# KiCad board WiRoc_NanoPi.kicad_pcb (continued)
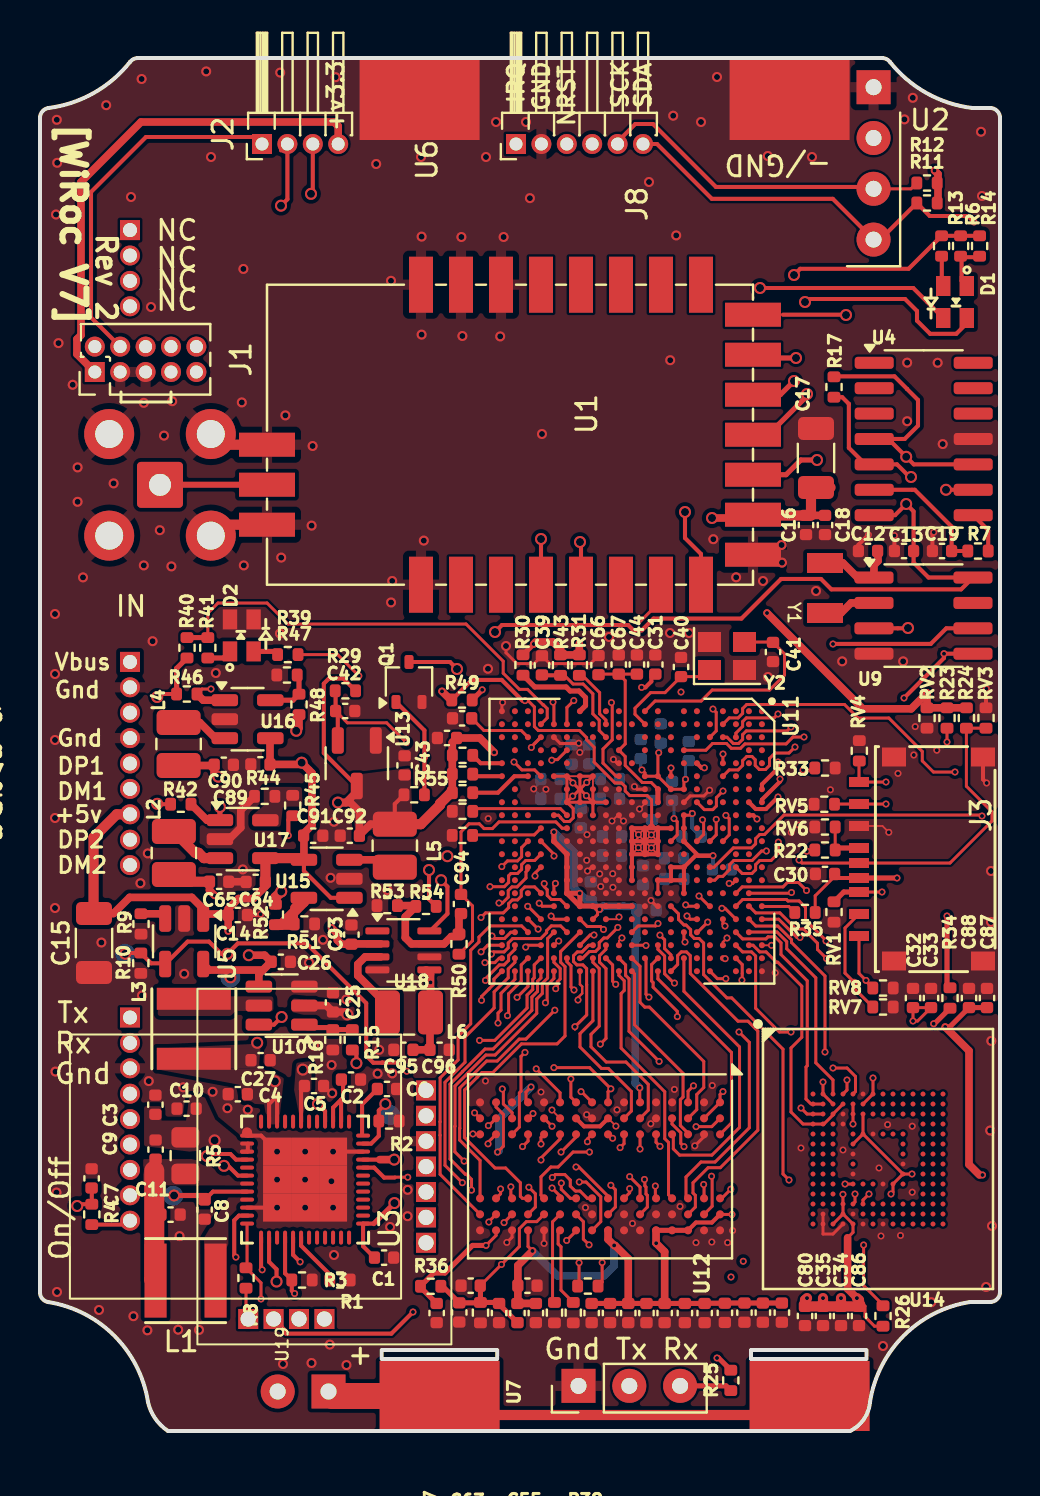
[diagram p0: board, top side]
## Routing (per net, layer and track width the routed paths; a pad name or vN(x,y) marks a point on that pad's centre or on a via; arc(x,y) is an arc through that point) (continued)
  In4.Cu w0.203: v4(38.85,48.55) 39.15,48.25 39.15,42.5 39.4,42.25 39.4,41.75 39.15,41.5 39.15,35.01 38.34,34.2 v2(37.75,34.2)
LORAMO: length 38.1
  Top w0.15: U11.C14 34.64,27.38 v2(34.46,27.38)
  Top w0.203: v4(40.3,55.8) 40.29,55.81 37.15,55.81
  In2.Cu w0.203: v2(34.46,27.38) 35.74,27.38 42.31,33.95 42.31,34.97 43.9,36.55 43.9,38.5 40.3,42.1 v4(40.3,55.8)
LORARS: length 11.5
  Top w0.15: U1.7 31.05,41.51 29.94,40.4 ; U11.U2 25.7,36.4 v2(25.65,36.45)
  Top w0.203: 31.05,43.11 U1.7
  In2.Cu w0.15: v2(25.65,36.45) 25.65,38.65 27.5,40.5 v2(29.86,40.5)
N_OE: length 78.6
  Top w0.203: v2(12.73,6.87) 12.59,7.02 R3.2 12.25,7.89 12.25,9.71 ; v4(45.3,47.06) 46.66,47.06
  In4.Cu w0.203: v2(12.73,6.87) 12.75,6.86 16.45,6.86 16.61,6.69 16.63,6.69 18.29,5.03 41.45,5.03 46.62,10.2 46.62,45.74 v4(45.3,47.06)
PWRON: length 17.9
  Top w0.203: v4(1.86,11.25) 1.95,11.34 R4.2 2.59,12.14 C7.2 ; U3.5 12.65,8.81 v2(13.01,8.46) ; v2(9.8,8.69) 9.71,8.78 9.71,10.53 9.95,10.77 10.39,10.77
  In2.Cu w0.203: v2(9.8,8.69) 11.22,8.69 11.45,8.46 v2(13.01,8.46)
  In4.Cu w0.203: v4(1.86,11.25) 3.95,9.16 9.33,9.16 v2(9.8,8.69)
SCK: length 116.3
  Top w0.15: U2.3 43.55,62.11 R12.1 ; U11.F11 33.18,29.82 33.18,30.5 v2(33.13,30.56)
  Top w0.203: v2(39.65,39.35) 39.66,39.36 44.54,39.36 45.32,40.13 U9.6 ; 42.39,62.11 U2.3 41.59,62.2 33.8,62.2 30.65,65.35 29.77,65.35 28.88,64.47 J8.5 ; v4(11.83,7.47) 11.83,8.08 11.45,8.46 U3.2
  In2.Cu w0.15: 16.17,7.47 18.05,7.47 18.91,8.33 19.93,8.33 20.26,8.66 20.26,9.01 20.26,9.01 20.26,11.56
  In2.Cu w0.203: v4(11.83,7.47) 16.17,7.47 ; 20.26,11.56 20.26,26.19 23.57,29.5 26.46,29.5 26.97,28.99 27.52,28.99 27.79,28.72 27.79,28.7 30.78,28.7 31.02,28.94 31.02,30.25 30.96,30.32 30.96,33.19 31.39,33.63 33.39,33.63 33.68,33.34 33.68,32.88 32.93,32.13 32.93,31.2 33.13,31 v2(33.13,30.56) 33.15,30.56 ; U2.3 41.68,61.74
  In4.Cu w0.203: v2(33.13,30.56) 33.85,29.83 36.06,29.83 37.69,31.46 37.69,31.8 39.61,33.72 39.61,38.69 39.65,38.73 v2(39.65,39.35) 39.65,41.58 39.7,41.63 39.7,60.13 U2.3
SCKE1: length 18
  Top w0.09: 27.64,10 U12.J9 ; v2(26.96,12.45) 27.07,12.45
  Top w0.15: v2(22.9,20.4) 22.9,20.89 23.05,21.04 23.05,21.88 23.75,22.58 U11.Y21 ; v2(26.96,12.45) 27.3,12.45 28.04,11.71 28.04,10.47 U12.J9
  In2.Cu w0.09: v2(26.96,12.45) 25.77,13.64 25.64,13.64
  In2.Cu w0.15: v2(26.96,12.45) 26.94,12.45 25.63,13.76 25.63,14.37 25.15,14.85 25.15,16.08 24.86,16.37 24.5,16.37 23.8,17.07 23.8,17.9 22.9,18.8 v2(22.9,20.4)
SCKN: length 22.8
  Top w0.09: 26.88,8.34 v2(26.95,8.41)
  Top w0.12: 26.71,11.63 U12.K7 ; v2(26.06,12.4) 26.06,12.28
  Top w0.15: v2(26.95,8.41) 26.95,7.32 R38.2 ; v2(26.06,12.4) 26.06,12.09 26.52,11.63 U12.K7 ; U11.AA20 22.96,23.64 22.74,23.42 v2(22.25,23.42)
  In2.Cu w0.09: v2(26.06,12.4) 26.14,12.4 26.17,12.42
  In2.Cu w0.15: v2(22.25,23.42) 22.12,23.42 21.01,22.31 21.01,17.83 21.53,17.3 21.53,17.2 21.97,16.76 22.08,16.76 23.7,15.13 23.7,14 24.6,13.1 25.95,13.1 26.06,12.99 v2(26.06,12.4)
  In4.Cu w0.15: v2(26.95,8.41) 27,8.46 27,10.06 26.5,10.56 26.5,11.96 v2(26.06,12.4)
SCKP: length 28
  Top w0.09: 26.8,11.97 26.51,12.26 26.51,12.51 ; R38.1 27.94,7.28 ; v2(22.05,23.96) 22.36,24.26
  Top w0.15: v2(22.05,23.96) 22.39,24.29 U11.AA19 ; R38.1 28.11,7.45 v2(28.11,8.42) ; v2(25.61,12.67) 25.76,12.82 26.24,12.82 26.51,12.55 26.51,12.25 26.76,12 ; U12.J7 27.37,11.63 27,12 26.8,12
  In2.Cu w0.15: v2(22.05,23.96) 20.77,22.67 20.77,17.52 23.45,14.83 23.45,13.91 24.69,12.67 v2(25.61,12.67)
  In4.Cu w0.15: v2(28.11,8.42) 27.67,7.99 26.78,7.99 26.53,8.24 26.53,9.12 26.76,9.35 26.76,9.96 25.14,11.58 25.14,12.39 25.43,12.67 v2(25.61,12.67)
SCS1: length 7.7
  Top w0.15: v2(23.85,21.68) 24.4,22.23 U11.W21 ; v2(24.81,18.11) 26,16.91 U12.L1
  In2.Cu w0.15: v2(24.81,18.11) 24.81,19.51 24.11,20.2 24.11,21.43 v2(23.85,21.68)
SDA: length 128.5
  Top w0.15: U11.C13 35.11,27.87 35.59,27.87 35.78,28.06 35.78,28.32 35.99,28.52 36.55,28.52 36.92,28.89 v2(36.92,29.44)
  Top w0.203: v2(46.7,60.45) 46.4,60.75 44.49,60.75 R11.1 42.01,59.57 U2.4 39.64,61.61 33.59,61.61 30.85,64.35 J8.6 ; U3.1 11.05,8.11 v2(11.11,8.06) ; U9.5 v2(45.2,38.86) 45.2,38.65 v2(43.2,36.65)
  In2.Cu w0.203: v2(36.92,29.44) 36.92,30.53 43.04,36.65 v2(43.2,36.65) ; v2(45.2,38.86) 46.65,40.31 46.65,60.4 v2(46.7,60.45)
  In4.Cu w0.203: v2(11.11,8.06) 11.14,8.02 12.21,8.02 12.83,7.4 16.47,7.4 18.45,5.42 41.29,5.42 46.22,10.36 46.22,37.84 v2(45.2,38.86)
SDC0-CLK: length 8.5
  Top w0.15: v2(34.26,23.62) 34.17,23.62 U11.D20 ; v2(38.34,28.99) 38.4,29.05 R22.1
  In2.Cu w0.15: v2(34.26,23.62) 35.12,23.62 35.75,24.25 35.75,26.17 37.63,28.05 38.16,28.05 38.45,28.34 38.45,28.88 v2(38.34,28.99)
SDC0-CMD: length 26.1
  Top w0.15: U11.F18 32.88,24.94 v2(33.39,25.44) ; v2(42.1,26.95) J3.3 ; v2(45.35,34.45) R23.1
  Top w0.254: J3.3 40.19,26.95 RV1.1
  In2.Cu w0.15: v2(45.35,34.45) 45.35,33.83 45.25,33.73 45.25,29.45 42.75,26.95 v2(42.1,26.95) 41.25,26.1 38.31,26.1 37.15,24.94 37.15,23.95 36.45,23.25 35.2,23.25 35.03,23.08 34.05,23.08 33.39,23.74 v2(33.39,25.44)
SDC0-D0: length 13
  Top w0.09: v2(36.58,24.28) 36.1,24.28 U11.A19
  Top w0.15: v2(42.3,31.35) J3.7 ; 41.03,31.35 39.93,31.35
  In2.Cu w0.15: v2(42.3,31.35) 38.76,27.81 37.75,27.81 36.58,26.64 v2(36.58,24.28)
SDC0-D1: length 14.6
  Top w0.12: U11.D19 34.15,24.45 v2(34.35,24.65)
  Top w0.15: v2(42.3,32.45) J3.8 40.95,33.48 RV4.1
  In2.Cu w0.15: v2(42.3,32.45) 41.19,32.45 35.16,26.42 35.16,25.46 v2(34.35,24.65)
SDC0-D2: length 10.8
  Top w0.15: J3.1 40.95,22.88 v2(41.3,22.53) 41.3,22.49 RV8.1 ; v2(35.1,22.54) 35.11,22.56 35.11,23.32 U11.C20
  In2.Cu w0.15: v2(41.3,22.53) 40.97,22.86 40.53,22.86 39.96,22.29 35.35,22.29 v2(35.1,22.54)
SDC0-D3: length 13.4
  Top w0.09: J3.2 41.03,25.85
  Top w0.15: U11.E21 33.87,22.62 v2(34.29,22.62) ; RV7.1 40.71,22.13 v2(40.71,22.44) 40.25,22.89 40.25,25.15 J3.2
  In2.Cu w0.15: v2(40.71,22.44) 40.32,22.05 34.86,22.05 v2(34.29,22.62)
SDC0-DET: length 27.7
  Top w0.09: 40.84,28.51 J3.9
  Top w0.15: v2(37.95,28.55) 38.1,28.4 J3.9 45.5,28.4 47.6,30.5 47.6,30.96 46.32,32.24 R24.1 RV3.1 ; U11.G18 32.2,24.5 v2(32.25,24.45)
  In2.Cu w0.15: v2(37.95,28.55) 37.71,28.55 35.4,26.24 35.4,25.1 34.5,24.2 34.2,24.2 33.83,24.57 33.83,25.61 33.56,25.87 33.21,25.87 32.25,24.91 v2(32.25,24.45)
SDQ0: length 11.3
  Top w0.15: U11.N20 28.63,23.3 28.63,22.49 v2(28.79,22.33) ; v2(31,14.23) 30.8,14.43 U12.E3
  In2.Cu w0.15: v2(31,14.23) 31.11,14.34 31.11,15.57 31.03,15.65 31.03,17.7 30.4,18.33 30.4,20.72 v2(28.79,22.33)
SDQ1: length 9
  Top w0.15: U11.P21 27.65,20.51 27,19.87 27,19.2 28.07,18.13 28.42,18.13 29.57,16.98 29.57,16 U12.G2
SDQ2: length 10.2
  Top w0.15: U11.P20 27.65,23.43 27.96,23.12 27.96,20.25 27.55,19.83 27.55,19.21 28.31,18.45 29.3,18.45 30.41,17.33 30.41,16.04 U12.F2
SDQ3: length 13.1
  Top w0.15: v2(25.27,21.41) 25.36,21.5 25.36,22.29 25.7,22.63 U11.U21 ; U12.H7 28.4,11.74 26.94,13.2 v2(26.8,13.2)
  In4.Cu w0.15: v2(25.27,21.41) 25.27,19.76 25.51,19.52 25.51,19.06 26.19,18.37 26.19,17.96 25.92,17.68 25.92,17.41 26.33,17 26.33,14.37 26.55,14.15 26.55,13.74 26.55,13.74 26.55,13.45 v2(26.8,13.2)
SDQ4: length 17
  Top w0.15: v2(30.22,12.58) 30.24,12.56 30.24,12.26 30.3,12.2 30.3,11.85 30.37,11.78 30.37,11.2 U12.F8 ; v2(27.7,24.8) 27.51,24.8 U11.R19
  In2.Cu w0.15: v2(27.7,24.8) 27.7,22.6 30.16,20.14 30.16,18.23 30.79,17.6 30.79,16.7 30.05,15.96 30.05,14.76 30.5,14.31 30.5,12.86 v2(30.22,12.58)
SDQ5: length 14.2
  Top w0.09: U11.T20 26.35,23.7 ; U11.T20 26.35,23.66 ; U11.T20 26.35,23.64
  Top w0.12: 26.32,23.61 U11.T20
  Top w0.15: U11.T20 26.35,23.64 26.35,23.46 26.55,23.26 26.55,22.2 v2(26.7,22.05) ; v2(29.48,12.72) 30,12.2 U12.F7
  In2.Cu w0.15: v2(29.48,12.72) 29.5,12.74 29.5,14.31 29.55,14.35 29.55,20.07 27.57,22.05 v2(26.7,22.05)
SDQ6: length 16.3
  Top w0.09: U11.U19 25.91,24.5 v2(25.94,24.5)
  Top w0.15: v2(28.54,12.29) 28.77,12.06 28.77,11.2 U12.H8
  In4.Cu w0.15: v2(28.54,12.29) 28.53,12.29 26.79,14.03 26.79,14.25 26.78,14.26 26.78,15.96 27.48,16.66 27.48,18.94 27.35,19.07 27.35,20.71 27.89,21.25 27.89,21.76 25.94,23.71 v2(25.94,24.5)
SDQ7: length 11.4
  Top w0.09: v2(28.63,14.64) 28.6,14.64 U12.H3
  Top w0.15: v2(25.79,22.11) 25.87,22.2 25.87,22.21 25.87,22.46 26.01,22.6 26.01,23.12 25.7,23.43 U11.U20
  In2.Cu w0.15: v2(28.63,14.64) 28.3,14.97 28.3,16.23 28.97,16.9 28.97,18.99 26.96,21 26.74,21 25.79,21.96 v2(25.79,22.11)
SDQ8: length 16.1
  Top w0.15: U12.A7 34.09,11.63 v2(34.54,12.09) ; U11.J19 30.9,24.08 31.23,23.75 31.23,22.86 31.69,22.4 v2(31.72,22.4)
  In2.Cu w0.15: v2(34.54,12.09) 35.48,13.03 35.48,20.18 35.19,20.47 34.5,20.47 32.58,22.4 v2(31.72,22.4)
SDQ9: length 16.8
  Top w0.15: v2(31,24.79) 31.23,24.56 31.23,24.12 31.55,23.8 U11.H20 ; v2(33.58,12.74) 33.61,12.71 33.61,11.24 U12.B8
  In4.Cu w0.15: v2(31,24.79) 31.35,24.45 31.35,23.98 33.17,22.15 33.17,17.05 33.03,16.91 33.03,16.68 33.72,15.99 33.72,12.88 v2(33.58,12.74)
SDQ10: length 18.2
  Top w0.15: U11.H21 31.88,23.32 31.88,23.77 32.07,23.95 32.33,23.95 32.52,23.77 32.52,22.87 34.9,20.49 35.4,20.49 35.89,20 35.89,15.04 34.01,13.16 33.4,13.16 32.65,12.41 32.65,11.9 32.77,11.78 32.77,11.2 U12.C8
SDQ11: length 9.9
  Top w0.15: U11.J21 30.9,22.6 34.57,18.93 34.57,15.4 U12.A3
SDQ12: length 10
  Top w0.15: U11.L20 30,23.24 30,21.43 30.24,21.19 30.47,21.19 33.19,18.48 33.19,17.17 32.84,16.82 32.84,16.07 U12.C2
SDQ13: length 9.4
  Top w0.15: U11.L21 29.73,22.86 29.73,20.31 32.15,17.88 32.15,16.7 32.02,16.56 32.02,15.27 32.4,14.89 U12.C3
SDQ14: length 12.6
  Top w0.15: U12.D7 31.43,11.81 31.43,14.43 31.24,14.62 31.24,16.96 29.06,19.14 29.06,21.87 29.21,22.03 29.21,22.51 28.95,22.78 U11.M21
SDQ15: length 14.2
  Top w0.09: U11.M19 28.95,24.5 v2(29.1,24.65) ; U12.A2 34,15.62 33.59,15.21 32.81,15.21 32.8,15.2
  Top w0.15: v2(32.8,15.22) 33.59,15.22 U12.A2
  In4.Cu w0.15: v2(32.8,15.22) 32.74,15.22 29.95,18.01 29.95,23.8 v2(29.1,24.65)
SDQM0: length 14.9
  Top w0.09: U11.M20 29.27,23.32 29.27,22.77 29.47,22.57 ; 30.81,18.63 v2(30.96,18.48)
  Top w0.15: U12.E7 30.77,11.67 v2(30.77,12.25) ; U11.M20 29.28,23.3 29.28,22.78 29.45,22.61 29.45,19.98 v2(30.96,18.48)
  In2.Cu w0.15: v2(30.77,12.25) 30.77,13.29 31.5,14.03 31.5,16.27 31.27,16.5 31.27,18.17 v2(30.96,18.48)
SDQM1: length 14.4
  Top w0.15: U12.D3 31.67,14.77 31.67,14.11 31.98,13.79 33.59,13.79 34.98,15.18 34.98,19.2 32.2,21.98 U11.G20
SDQS0N: length 10.8
  Top w0.12: U11.R21 27,22.33 27.11,22.22 27.11,21.88 26.9,21.67 v2(26.9,21.55)
  Top w0.15: U12.G3 29.2,14.37 v2(29,14.17)
  In2.Cu w0.15: v2(26.9,21.55) 29.29,19.16 29.29,14.45 v2(29,14.17)
SDQS0P: length 18.3
  Top w0.09: 26.99,23.64 U11.R20
  Top w0.15: U11.R20 27.13,23.64 27.47,23.97 27.78,23.97 27.96,24.16 27.96,24.42 28.19,24.65 28.36,24.65 v2(28.89,25.18) ; U12.F3 v2(30,14.1)
  In2.Cu w0.15: v2(30,14.1) 29.81,14.29 29.81,16.06 30.41,16.66 30.41,17.33 29.92,17.83 29.92,20.04 27.18,22.78 27.18,25.23 27.55,25.6 28.45,25.6 28.87,25.18 v2(28.89,25.18)
SDQS1N: length 13.3
  Top w0.15: v2(31.87,20.72) 31.87,20.98 30.66,22.19 30.66,22.42 30.58,22.5 30.58,23.32 U11.J20 ; v2(33.18,12.33) 33.2,12.31 U12.B7
  In2.Cu w0.15: v2(31.87,20.72) 31.87,20.57 32.22,20.22 32.22,16.4 33.27,15.35 33.27,13.04 33.15,12.92 33.15,12.36 v2(33.18,12.33)
SDQS1P: length 17.6
  Top w0.15: v2(34.95,19.95) 35.47,19.43 35.47,15.16 33.76,13.45 33.05,13.45 32.3,12.7 32.3,11.74 U12.C7 ; v2(30.45,21.69) 30.3,21.84 30.3,23.59 U11.K20
  In2.Cu w0.15: v2(30.45,21.69) 30.98,21.16 33.47,21.16 34.68,19.95 v2(34.95,19.95)
SODT1: length 15.5
  Top w0.15: U11.V11 25.7,28.84 v2(25.7,28.75) ; v2(27.05,16.97) 27.07,16.97 U12.J1
  In2.Cu w0.15: v2(27.05,16.97) 27.05,18.6 24.83,20.82 24.83,22.78 26.55,24.5 26.55,27.9 v2(25.7,28.75)
SRR_IRQ: length 59.8
  Top w0.15: v2(36.32,29) 36.08,29 35.6,28.52 34.69,28.52 34.48,28.32 34.48,28.07 34.14,27.73 33.93,27.73 33.74,27.54 U11.E14
  In4.Cu w0.203: J8.1 24.95,63.2 42.45,63.2 42.9,62.75 42.9,58.3 40.95,56.35 40.95,34.16 36.32,29.53 v2(36.32,29)
SRR_NRST: length 65
  Top w0.15: U11.E3 33.81,35 33.81,35.93 v2(33.65,36.1)
  In2.Cu w0.203: J1.10 7.33,54.71 7.33,60.67 9.11,62.45 15.05,62.45 18.59,65.99 25.76,65.99 26.34,65.41 J8.3 26.34,47.49 24.4,45.55 24.4,44.33 25.08,43.65 27.43,43.65 33.65,37.43 v2(33.65,36.1)
SRST: length 15.4
  Top w0.09: U12.T2 22,15.62
  Top w0.15: v2(24.96,26.39) 25.11,26.24 U11.U16 ; v2(21.73,15.91) U12.T2
  In4.Cu w0.15: v2(24.96,26.39) 24.5,26.85 22.75,26.85 22.45,26.55 22.45,26.14 22.55,26.04 22.55,25.4 21.34,24.19 21.34,19.28 21.45,19.17 21.45,17.53 21.53,17.44 21.53,16.1 v2(21.73,15.91)
SVREF: length 40.3
  Top w0.09: 22.01,6.44 R37.1
  Top w0.15: U12.M8 24.84,10.47 24.32,10.47 23.97,10.12 23.97,9.22 v2(23.07,8.33) C63.1 ; U12.H1 28.4,16.97 v2(28.54,17.11) 27.48,18.17 v2(25.69,18.17) ; U11.T16 26.01,26.57 25.57,26.57 25.36,26.78 25.36,27.06 25.21,27.21 v2(25.21,27.37)
  Top w0.254: R37.1 22,6.41 C29.1 20.13,7.24 R36.2 ; R37.1 22.9,6.43 C28.1 22.95,6.34 C62.2 ; R37.1 22.02,7.26 C63.1
  In2.Cu w0.15: v2(25.21,27.37) 25.21,27.23 25.98,26.46 25.98,25.53 24.9,24.45 24.9,23.53 24.35,22.98 24.35,20.3 25.69,18.96 v2(25.69,18.17) ; v2(23.07,8.33) 24.72,9.98 26.83,9.98 28.97,12.11 28.97,13.39 28.06,14.3 28.06,16.63 v2(28.54,17.11)
ToPWRBTN: length 2
  Top w0.203: R4.1 4.3,10.32 J4.9 4.52,10.49
UART0_RX: length 2.6
  Top w0.254: J6.3 34.3,2.26 R25.1
UART0_TX: length 40.4
  Top w0.203: U11.F5 33.08,33.16 v2(33.22,33.16)
  In2.Cu w0.203: v2(33.22,33.16) 32.89,33.16 32.73,33 32.73,32.4 32.16,31.84 32.16,30.42 31.8,30.05 31.8,24.26 33.9,22.17 34.28,22.17 36.04,20.41 36.04,5.14 33.35,2.45 33.35,1.75 32.65,1.05 30.67,1.05 J6.2
UART1_RX: length 23.9
  Top w0.15: U11.D3 34.35,34.69 34.67,34.37 34.93,34.37 35.13,34.58 35.13,34.82 35.32,35 37.35,35 v2(37.55,35.2)
  Top w0.254: U1.13 37.01,51.81 v4(37.7,52.5)
  In4.Cu w0.203: v2(37.55,35.2) 37.82,35.47 37.82,47.61 37.56,47.87 37.56,52.36 v4(37.7,52.5)
UART1_TX: length 27.3
  Top w0.15: U11.G4 33.29,34.04 33.63,34.37 34.33,34.37 34.57,34.13 35.03,34.13 35.25,34.35 37.3,34.35 37.65,34.7 v2(38.2,34.7)
  Top w0.254: v4(38.35,51.85) 38.35,51.75 36.41,49.81 U1.12
  In4.Cu w0.203: v2(38.2,34.7) 38.2,51.7 v4(38.35,51.85)
UART2_RX: length 41.9
  Top w0.15: U11.D5 34.15,33.85 v2(34.15,33.85)
  In2.Cu w0.203: J4.2 4.81,19.41
  In4.Cu w0.15: J4.2 3.64,20.27 3.64,24.36 10.01,30.73 12.97,30.73 17.45,35.21 26.74,35.21 26.89,35.36 32.41,35.36 33.16,34.61 33.67,34.61 34.15,34.13 v2(34.15,33.85)
UART2_TX: length 43.1
  Top w0.15: U11.D11 34.46,29.8 34.46,30.62 v2(34.3,30.78)
  In4.Cu w0.15: v2(34.3,30.78) 34.59,31.07 34.59,32.78 32.31,35.06 26.95,35.06 26.73,34.84 17.5,34.84 13.15,30.49 10.12,30.49 4.83,25.2 4.83,23.63 4.5,23.3 J4.1
USBHost-DM1: length 38.2
  Top w0.203: v2(37,32.6) 37,32.47 36.1,31.57 U11.A8
  In4.Cu w0.15: v2(37,32.6) 34.19,35.41 33.38,35.41 32.68,36.11 29.6,36.11 28.59,37.11 23.1,37.11 22.19,36.2 17.03,36.2 12.68,31.85 6.22,31.85 5.97,32.11 J10.6
USBHost-DM2: length 38.3
  Top w0.203: U11.B9 35.66,30.79 v2(35.85,30.6)
  In4.Cu w0.15: J10.9 7.19,28.3 9.87,30.97 12.85,30.97 17.33,35.45 26.64,35.45 26.79,35.6 32.51,35.6 33.18,34.93 33.88,34.93 35.85,32.96 v2(35.85,30.6)
USBHost-DP1: length 38.4
  Top w0.203: U11.A7 36.1,32.33 36.9,33.14 v2(36.9,33.45)
  In4.Cu w0.15: v2(36.9,33.45) 34.7,35.65 33.48,35.65 32.78,36.35 29.7,36.35 28.69,37.35 23,37.35 22.09,36.44 16.93,36.44 12.59,32.1 6.48,32.1 5.21,33.38 J10.5
USBHost-DP2: length 38.9
  Top w0.203: v2(36.9,31.7) 36.3,31.1 35.79,31.1 U11.B8
  In4.Cu w0.15: J10.8 8.12,29.56 9.77,31.21 12.75,31.21 17.24,35.7 26.55,35.7 26.7,35.85 32.6,35.85 33.28,35.17 33.98,35.17 36.09,33.06 36.09,32.51 v2(36.9,31.7)
WIFI-DataReady: length 44.9
  Top w0.15: v2(30.9,25.38) 30.78,25.25 29.91,25.25 U11.L18
  In2.Cu w0.15: U19.3 13.66,4.89 32.39,4.89 35.16,7.66 v2(35.16,8.49)
  In4.Cu w0.15: v2(35.16,8.49) 35.48,8.8 35.48,20.18 31.59,24.08 31.59,24.81 31.02,25.38 v2(30.9,25.38)
WIFI-EN: length 73.3
  Top w0.15: U11.D2 34.46,35.65 34.91,35.65 35.13,35.88 35.13,36.12 35.34,36.33 40.22,36.33 40.9,35.65 42.44,35.65 44.11,33.98 44.11,33.51 44.67,32.95 v2(45.75,32.95)
  Top w0.203: U19.2 12.26,5.02 12.26,4.91 12.3,4.87 17.57,4.87 v2(18.65,5.95)
  In4.Cu w0.203: v2(45.75,32.95) 45.8,32.9 45.8,10.35 41.35,5.9 18.7,5.9 v2(18.65,5.95)
WIFI-HandShake: length 44.8
  Top w0.15: v2(30.3,24.28) 30.29,24.29 U11.L19
  In2.Cu w0.15: U19.4 14.32,5.5 32.35,5.5 v2(34.55,7.7)
  In4.Cu w0.15: v2(34.55,7.7) 35.03,7.7 35.72,8.39 35.72,20.28 31.83,24.17 31.83,25.05 31.08,25.8 30.72,25.8 30.3,25.38 v2(30.3,24.28)
WIFI-SPI-CS0: length 51.1
  Top w0.15: v2(37.58,26.92) 37.54,26.89 U11.B15
  In4.Cu w0.203: v2(37.58,26.92) 38.45,26.05 38.45,22.44 43.05,17.84 43.05,10.44 42.57,9.96 42.57,9.43 42.58,9.42 41.04,7.89 38.06,7.89 37.4,7.23 21.65,7.23 20.75,8.12 20.75,12.14 19.67,13.22 U19.8
WIFI-SPI-MISO: length 54.9
  Top w0.15: 39.3,24.53 38.28,25.55 38.28,26.18 37.96,26.5 37.4,26.5 37.33,26.57 35.13,26.57 U11.C16
  Top w0.203: 39.3,24.53 v2(39.3,24.5)
  In4.Cu w0.203: U19.6 19.03,10.68 18.39,10.04 18.39,8.59 20.78,6.19 41.09,6.19 44.03,9.13 44.03,9.31 45.51,10.79 45.51,16.95 39.78,22.68 39.78,24.02 v2(39.3,24.5)
WIFI-SPI-MOSI: length 53.7
  Top w0.15: v2(38.33,27.03) 37.93,27.42 37.37,27.42 37.15,27.2 35.11,27.2 U11.C15
  In4.Cu w0.203: v2(38.33,27.03) 38.8,26.55 38.8,22.51 44.35,16.96 44.35,10.46 41.48,7.59 38.18,7.59 37.44,6.85 21.3,6.85 20.25,7.9 20.25,11.44 19.74,11.95 U19.7
WIFI-SPI-SCLK: length 49.7
  Top w0.09: U11.B16 35.45,26.24
  Top w0.15: 35.45,26.24 35.79,25.9 37,25.9 37.8,25.1 38.18,25.1 38.42,24.85 38.42,24.84 38.88,24.39 38.88,24.07 v2(39.33,23.62)
  In4.Cu w0.203: v2(39.33,23.62) 39.33,22.47 45.04,16.76 45.04,10.84 44.64,10.44 44.64,10.34 41.4,7.1 38.16,7.1 37.57,6.5 21.11,6.5 19.3,8.31 U19.5
X24MI: length 5.1
  Top w0.15: 33.14,37.72 C40.2 31.25,36.92 30.53,36.92 29.75,36.14 29.75,35.84 U11.K2
X24MO: length 11
  Top w0.15: U11.K1 30.76,36.5 33.06,36.5 33.61,37.05 36.48,37.05 37.23,37.8 37.23,38.85 C41.2 ; Y2.3 36.63,39.45
Net-(D1-A1): length 2.5
  Top w0.203: D1.1 46.08,57.51 46.08,58.69 46.99,58.69
Net-(D1-A2): length 1.5
  Top w0.203: 45.09,58.69 45.09,57.32 D1.4
Net-(D1-K1): length 31.6
  Top w0.203: D1.2 46.34,55.39 45.81,54.86 44.51,54.86 43.85,55.52 43.85,56 43.25,56.6 38.4,56.6 v4(38.25,56.45) ; v4(25.05,44.6) U1.4 25.05,41.51
  In2.Cu w0.203: v4(25.05,44.6) 29.45,49 32.15,49 38.25,55.1 v4(38.25,56.45)
Net-(D1-K2): length 29.2
  Top w0.203: v4(27,44.45) 27.05,44.4 U1.5 27.05,41.51 ; v4(36,57.15) 43.66,57.15 D1.3
  In4.Cu w0.203: v4(36,57.15) 27.65,48.8 27.65,45.1 v4(27,44.45)
Net-(D2-A1): length 1.2
  Top w0.254: D2.1 9.17,38.65 R41.1
Net-(D2-A2): length 1.3
  Top w0.254: R39.1 11.72,38.98 D2.4
Net-(J1-Pin_2): length 34
  In2.Cu w0.203: J8.4 27.61,64.89 26.11,66.39 18.08,66.39 14.65,62.95 9.05,62.95 6.94,60.84 6.94,55.84 6.11,55.01 3.53,55.01 J1.2
Net-(J1-Pin_4): length 18.2
  Top w0.203: J1.4 2.55,55.68 2.55,61.95 5.3,64.7 10.75,64.7 J2.1
Net-(J1-Pin_7): length 19.2
  Top w0.203: v4(12.05,61.27) 12.37,61.59 J2.2 12.05,64.03
  In2.Cu w0.203: v4(12.05,61.27) 9.12,61.27 8.3,60.45 8.3,55.76 9.19,54.86 9.19,52.84 8.3,51.95 7.55,51.95 J1.7
Net-(J1-Pin_9): length 17.5
  Top w0.203: J2.3 13.64,61.95 v4(13.55,61.86)
  In2.Cu w0.203: v4(13.55,61.86) 9.07,61.86 7.8,60.59 7.8,55.7 8.8,54.7 8.8,53.45 8.3,52.95 J1.9
Net-(J3-CLK): length 2.6
  Top w0.15: RV6.1 R22.2
  Top w0.203: 40.82,29.02 J3.5
  Top w0.254: J3.5 39.86,29.15 R22.2
Net-(J9-In): length 5.4
  Top w0.3: U1.25 6.01,47.31 J9.1
Net-(Q1-D): length 15.1
  Top w0.203: v4(20.85,38.1) 20.5,38.45 Q1.3 ; v4(19.45,28.05) 19.45,26.59 R54.1
  In2.Cu w0.203: v4(19.45,28.05) 19.45,29.25 20.85,30.65 v4(20.85,38.1)
Net-(SW1-A): length 24.9
  Top w0.508: U7.1 20.93,0.8 37.53,0.8 U7.1
  Top w1.3: SW1.1 14.65,1.75 U7.1
Net-(U1-VCC): length 28.2
  Top w0.203: v4(32.25,45.95) 32.25,44.65 33.05,43.85 U1.8 ; v4(37.7,57.8) 38.01,58.11 43.43,58.11 R13.2 R6.2 R14.2
  In4.Cu w0.203: v4(32.25,45.95) 32.25,52.35 v4(37.7,57.8)
Net-(U3-BIAS): length 3.3
  Top w0.203: v4(17.27,16.35) 16.94,16.02 R2.2 16.94,14.75 16.56,14.37 U3.23
  Bottom w0.203: TP3.1 17.27,16.03 v4(17.27,16.35)
Net-(U3-CHSENCE): length 5.5
  Top w1: L1.2 5.71,7.59 5.71,13.01
Net-(U3-N_VBUSEN): length 2.8
  Top w0.203: R1.2 14.49,7.83 13.05,9.27 13.05,9.71
Net-(U3-VREF): length 2.6
  Top w0.203: 16.11,14.8 16.1,14.81 16.1,16.33 C6.1
Net-(U4A-C): length 16.6
  Top w0.203: 41.83,40.26 U9.3 43.38,40.13 v4(43.4,40.15) ; v4(43.55,47.7) 43.53,47.72 43.46,47.72 42.85,48.33 U4.5 41.27,48.33 40.44,49.16 40.44,51.34 40.45,51.35 40.11,51.69 R17.1
  In2.Cu w0.203: v4(43.4,40.15) 43.5,40.25 43.5,45.7 43.9,46.1 43.9,47.35 v4(43.55,47.7)
Net-(U4A-~{Q}): length 2.1
  Top w0.203: U4.8 47.41,45.04 R7.1
Net-(U4A-~{R}): length 7.2
  Top w0.203: R7.2 C19.1 45.58,45.22 43.74,47.06 41.71,47.06
  Top w0.381: 41.71,47.06 42.29,47.06
Net-(U5-ISET): length 1.3
  Top w0.381: R9.2 5.05,25.86 6.02,25.86 U5.3
Net-(U9-OSCI): length 4.2
  Top w0.381: Y1.1 40.15,43.4 40.88,42.67 U9.1 41.7,43.3 41.9,43.5 41.9,43.98 C12.1
Net-(U9-OSCO): length 2.7
  Top w0.381: Y1.2 40.05,40.9 40.55,41.4 U9.2
Net-(U10-FB): length 2.5
  Top w0.254: R15.2 R16.1 14.54,20.17 13.37,20.17 U10.1
Net-(U10-OUT): length 19.2
  Top w0.203: R15.1 15.82,18.85 v4(15.82,18.39) ; 8.46,23.05 9.15,23.05 v4(9.52,22.68)
  Top w0.381: C26.1 10.94,22.84 U10.4 ; C26.1 11.15,23.05 8.46,23.05 U5.5 ; C26.1 11.23,23.79 v4(10.44,23.79)
  In2.Cu w0.203: v4(15.82,18.39) 16.19,18.76 16.19,22.69 14.92,23.96 10.61,23.96 v4(10.44,23.79)
Net-(U11A-SZQ): length 3.6
  Top w0.15: U11.V10 24.71,29.8 21.65,29.8 R18.1
Net-(U11B-PC4/NAND_CE0): length 10.6
  Top w0.15: R33.1 38.64,33.05 v2(38.15,33.05) ; v2(32.29,26.3) 32.35,26.24 U11.F16
  In2.Cu w0.203: v2(38.15,33.05) 38.15,32.24 35.5,29.59 35.5,29.5 35.06,29.5 32.29,26.72 v2(32.29,26.3)
Net-(U11B-PC5/NAND_RE/SDC2_CLK): length 13.7
  Top w0.15: v2(38,24.67) 37.85,24.67 36.94,25.59 U11.A17
  Top w0.254: v2(45.35,25.75) 45.35,22.31 R34.1
  In2.Cu w0.15: v2(45.35,25.75) 39.08,25.75 v2(38,24.67)
Net-(U11B-PC7/NAND_RB1): length 1.8
  Top w0.15: U11.A16 36.11,26.23 37.44,26.23 R35.1
Net-(U11D-PA5/UART0_RX/PWM0/PA_EINT5): length 33.9
  Top w0.15: U11.H6 31.55,33.15 v2(31.55,33.15)
  Top w0.254: R25.2 33.93,3.65 v2(33.85,3.65)
  In2.Cu w0.203: v2(31.55,33.15) 31.55,31.11 31.25,30.81 31.25,30.44 31.45,30.24 31.45,24.2 33.78,21.87 34.16,21.87 35.75,20.29 35.75,5.55 v2(33.85,3.65)
Net-(U11E-PL3/S_UART_RX/S_PL_EINT3): length 4.4
  Top w0.254: U11.R1 27.28,36.27 27.28,36.67 26.95,37 26.51,37 26.31,37.2 24.74,37.2 R30.1
Net-(U11E-PL4/S_JTAG_MS/S_PL_EINT4): length 3.1
  Top w0.15: R31.1 27.12,37.78 27.98,36.92 27.98,35.86 28.3,35.54 U11.N2
Net-(U11F-MBIAS): length 3.2
  Top w0.09: 21.58,35.62 C36.2
  Top w0.15: U11.W3 24.06,35.02 22.2,35.02 C36.2
Net-(U11G-KEYADC): length 1.6
  Top w0.203: R28.2 22.03,33.39 U11.AA5
Net-(U11G-NMI): length 1.5
  Top w0.203: U11.AA6 21.74,32.74 R27.2
Net-(U11G-UBOOT): length 3.1
  Top w0.203: U11.W6 23.72,32.74 22.9,31.91 R32.1
Net-(U11G-VCC_PLL): length 5.4
  Top w0.15: R43.1 26.22,37.78 26.65,37.35 27.15,37.35 27.64,36.86 27.64,35.86 27.96,35.54 27.96,35.02 U11.N3
  Top w0.203: C39.2 25.12,37.78 R43.1
Net-(U11G-VDD_EFUSEBP): length 2.3
  Top w0.15: U11.H11 31.86,29.8 31.86,30.46 v2(31.7,30.62)
  Bottom w0.15: v2(31.7,30.62) 31.7,31.42 C38.1
Net-(U11H-GND_CPUXFB): length 4.9
  Top w0.15: R19.1 21.77,31.12 26.02,31.12 U11.T9
Net-(U14-NC19): length 12.8
  Top w0.15: U14.C2 U14.C1 38.35,15.85 v2(38.05,16.15) ; 43.88,20.5 C33.1 C32.1 v2(43.65,20.5) 43.88,20.5
  In2.Cu w0.15: v2(38.05,16.15) 41.75,16.15 43.15,17.55 43.15,20 v2(43.65,20.5)
Net-(U15-LX): length 2.9
  Top w0.508: U15.3 8.2,28.64 7.92,28.91 7.76,28.91 L2.1
Net-(U16-FB): length 2.6
  Top w0.254: U16.5 12.65,36.54 R48.1 12.95,37.71 R47.1
Net-(U16-LX): length 2.6
  Top w0.381: L4.1 7.99,35.42 8.77,34.64 U16.3
Net-(U17-FB): length 4.6
  Top w0.381: 12.67,25.31 R51.1 12.71,26.17 U17.5 ; R52.1 11.85,25.31
  Top w0.508: R52.1 12.67,25.31 ; U17.5 13.2,26.45 12.06,25.31 11.85,25.31
Net-(U17-LX): length 2.4
  Top w0.381: L5.1 17.37,28.56 U17.3
Net-(U18-FB): length 6.8
  Top w0.381: 21.05,24.72 20.56,24.72 20.2,24.36 18.58,24.36 18.26,24.67 18.26,25.7 R54.2 18.75,26.27 R53.2 ; C94.2 20.95,25.77 R50.1
Net-(U18-SW): length 4.3
  Top w0.381: L6.1 17.38,21.29 15.89,22.77 15.89,23.34 16.26,23.7 17.03,23.7

## Copper pours and planes (outline as drawn; the poured copper is in the pictures)
GND on Top: 102.55,-3.55 -2.45,-3.55 -2.69,71.45 102.55,71.45
GND on Bottom, In1.Cu, In2.Cu: 102.55,-3.55 -2.45,-3.55 -2.45,71.45 102.55,71.45
GND on In3.Cu: -2.45,71.45 -2.45,-3.55 102.55,-3.55 102.55,71.45
GND on In4.Cu: -2.45,71.45 -2.45,-3.55 102.55,-3.55 102.55,71.45
VBUS on Top: 13.14,15.81 13.57,17.11 13.58,18.5 12.81,18.41 12.7,17.06 12.96,15.81
VDD1V2-SYS on Bottom: 28.75,30.13 28.77,30.06 30.56,30.92 31.47,30.91 31.73,30.05 31.58,27.28 30.75,27.65 29.84,27.79 28.71,28.49
VDD-CPUX on Bottom: 28.06,33.87 26.07,33.91 25.59,32.92 25.6,31.14 26.77,30.69 28.43,31.22 28.38,33.1
VDD_SYS_3.3V on Top: 15.72,32.81 18.53,33.16 18.61,30.8 15.79,29.76 15.58,31.65
VDD_SYS_3.3V on In4.Cu: 37.75,5.95 41.45,5.95 43.05,12.15 39.75,12.05
